# Allegro board FMDEMOD-57.brd (continued)
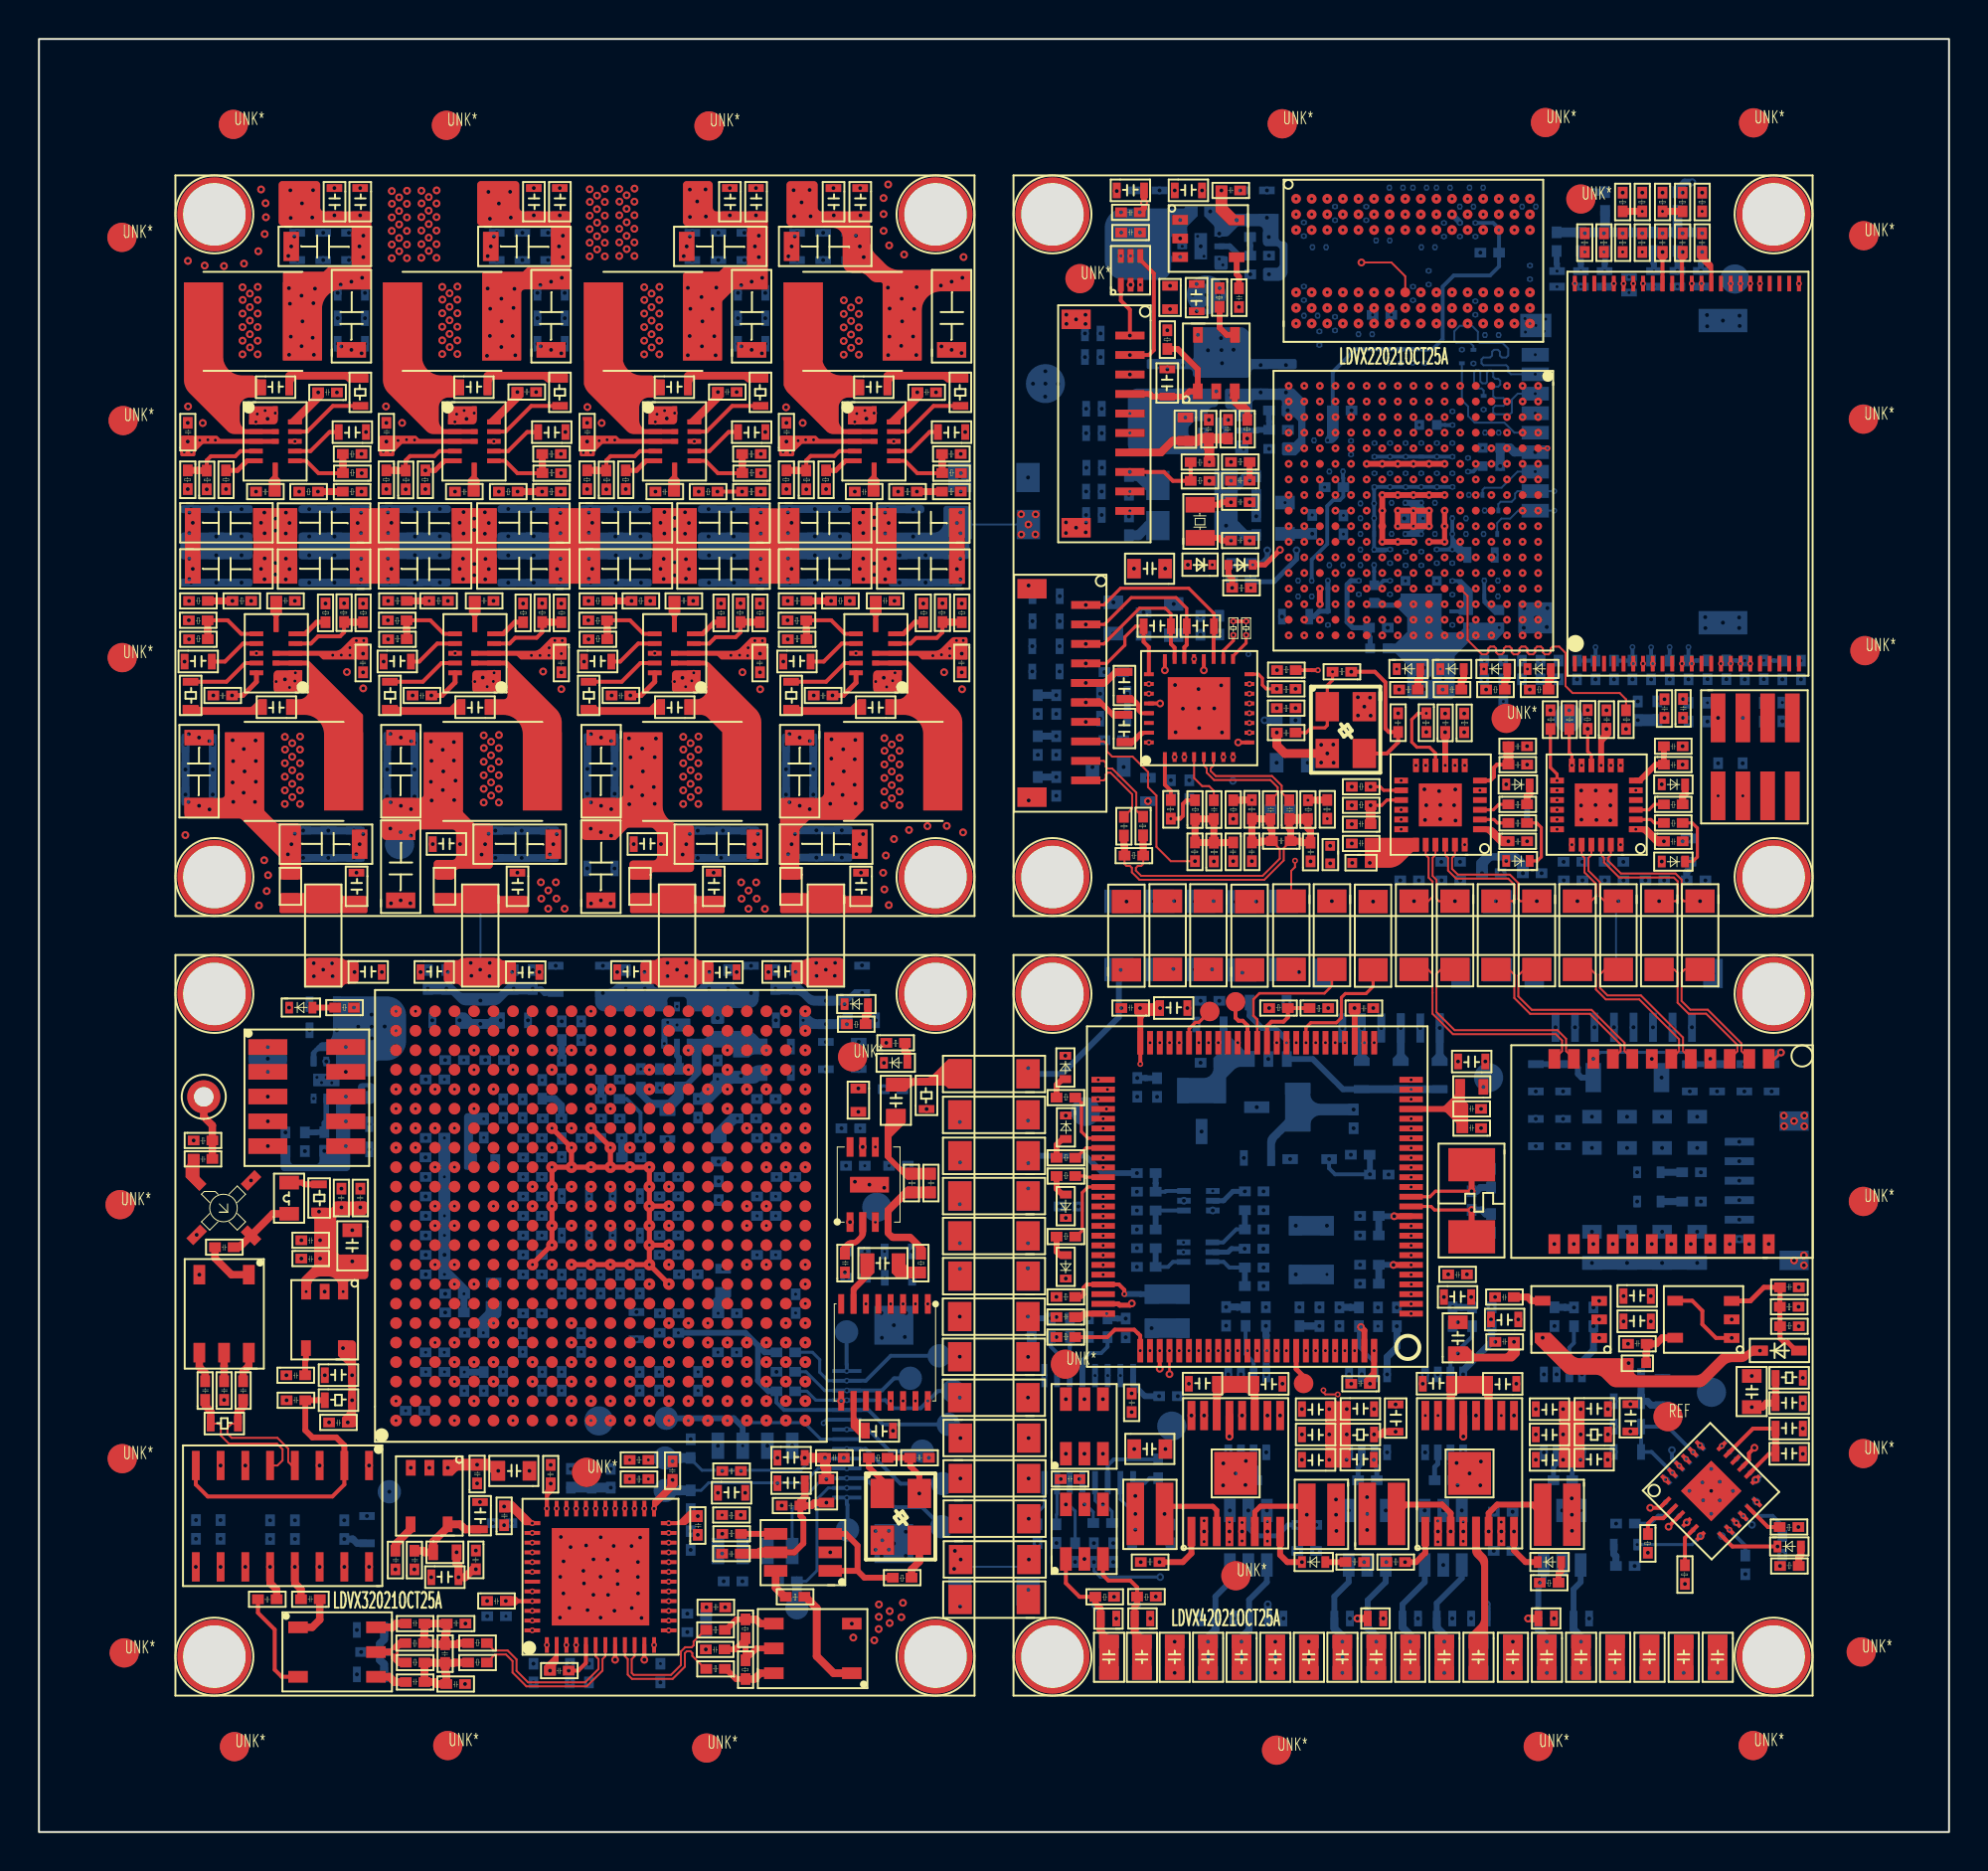
[diagram p0: board, top side]
## Routing (per net, layer and track width the routed paths; a pad name or vN(x,y) marks a point on that pad's centre or on a via; arc(x,y) is an arc through that point) (continued)
v25(84.33,50.83) v25(84.45,12.73) v25(84.68,17.5) v25(85.35,17.94) v25(85.38,17.02) v25(85.8,18.63) v25(85.8,17.5) v25(85.8,16.33) v25(86.24,17.97) v25(86.24,17.01) v25(86.85,26.3) v25(86.91,17.5) v25(87.88,23.4) v25(90.29,27.95) v25(90.28,26.95) v25(90.27,15.65) v25(90.5,22) v25(90.5,20.7) v25(90.5,19.4) v26(52.71,77.85) v26(52.72,77.38) v26(52.69,67.19) v26(52.69,66.65) v26(53.21,77.61) v26(53.21,66.92) v26(53.69,77.85) v26(53.69,77.38) v26(53.72,67.19) v26(53.7,66.69) v26(55.3,84.2) v26(55.52,83.11) v26(55.53,82.07) v26(55.97,74.78) v26(56.18,64.82) v26(57.89,75.05) v26(58.27,84.23) v26(59.4,79.43) v26(60.02,72.46) v26(60.05,69.33) v26(60.41,73.92) v26(61.63,84.23) v26(62.12,66.27) v26(63.52,59.62) v26(65.78,55.78) v26(65.78,54.87) v26(66.41,55.8) v26(66.42,54.87) v26(67.36,51.71) v26(67.36,50.72) v26(76.35,50.84) v26(79.13,53.44) v26(79.31,82.03) v26(79.46,57.57) v26(79.87,53.44) v26(79.86,52.69) v26(79.91,51.93) v26(80.29,82.03) v26(80.63,53.43) v26(80.62,52.68) v26(80.62,51.91) v26(81.26,84.11) v26(81.26,82.03) v26(82.26,82.03) v26(83.3,82.03) v26(83.4,57.16) v26(84.33,84.11) v26(84.33,82.03) v26(84.33,55.71) v26(84.33,54.77) v26(84.35,57.17) v26(85.33,84.11) v26(85.33,82.03) v27(58.55,81.76) v27(61.57,78.25) v28(78.8,79.45) v28(84.8,79.45) v28(84.8,59.95) v28(90.3,79.45) v29(70.9,83) v30(53.67,76.89) v30(53.67,75.68) v30(53.73,73.03) v30(53.73,71.78) v30(53.74,70) v30(53.73,68.78) v30(53.73,67.58) v30(56.18,84.23) v30(57.49,84.23) v30(71.95,49.78) v30(74.16,59.14) v30(75.13,59.14) v30(75.13,57.05) v30(75.39,52.73) v30(76.09,59.14) v30(77.04,59.14) v30(77.97,59.14) v30(79.19,49.78) v30(80.33,49.78) v30(84.63,59.14) v30(84.63,56.98) v30(85.61,56.98) v30(85.89,44.05) v30(88.5,56.98) v30(89.45,59.14) v30(90.4,59.14) v31(14.09,37.64) v31(14.26,38.72) v31(14.5,38.45) v31(14.74,38.72) v31(15.02,38.44) v31(15.24,38.74) v31(19.84,24.61) v31(19.85,23.61) v31(19.77,21.62) v31(21.84,25.62) v31(22.82,35.63) v31(22.82,22.64) v31(23.82,36.64) v31(23.82,22.65) v31(24.81,36.64) v31(24.84,35.61) v31(24.84,34.61) v31(24.84,33.61) v31(24.84,32.61) v31(24.84,31.61) v31(24.84,30.61) v31(24.84,29.62) v31(24.84,28.61) v31(24.82,24.64) v31(25.84,36.62) v31(25.8,26.61) v31(25.82,22.65) v31(26.82,35.6) v31(26.82,27.64) v31(26.82,22.65) v31(27.82,27.64) v31(28.23,32.63) v31(28.23,30.61) v31(28.8,35.61) v31(28.82,27.64) v31(29.43,32.63) v31(29.43,30.61) v31(29.8,38.61) v31(29.8,36.61) v31(29.82,27.64) v31(30.82,27.64) v31(30.82,22.65) v31(30.87,34.61) v31(31.84,25.61) v31(31.82,22.65) v31(31.85,38.19) v31(31.85,26.62) v31(32.12,41.14) v31(32.09,40.46) v31(32.26,41.54) v31(32.74,41.41) v31(32.8,33.61) v31(32.8,32.61) v31(32.8,31.61) v31(32.8,30.61) v31(32.8,29.62) v31(33.23,41.27) v31(33.82,36.66) v31(33.8,28.61) v31(33.82,22.65) v31(34.82,39.59) v31(34.84,24.62) v31(35.81,26.62) v31(36.8,36.61) v31(37.8,37.61) v31(37.8,35.61) v31(37.8,32.61) v31(37.8,31.61) v31(37.8,29.61) v31(38.58,40.3) v31(38.58,38.95) v31(38.8,33.61) v31(38.82,27.59) v31(55.48,23.42) v31(58.72,29.75) v31(59.45,81.88) v31(59.77,80.85) v31(60.56,80.71) v31(60.74,80.41) v31(61.62,71.25) v31(61.81,70.94) v31(63.93,68.21) v31(64.6,64.2) v31(64.6,63.4) v31(64.9,81.89) v31(64.9,79.3) v31(65.33,67.58) v31(65.42,71.41) v31(65.6,77.8) v31(65.69,76.3) v31(65.96,69) v31(66.13,61.93) v31(66.08,28.61) v31(66.21,69.81) v31(66.21,65) v31(66.5,82.7) v31(66.5,77.05) v31(66.93,67.55) v31(67.32,70.68) v31(67.7,76.85) v31(67.72,63.5) v31(67.8,68.17) v31(67.8,67.41) v31(67.8,66.6) v31(67.8,65.8) v31(67.8,65) v31(68.1,82.7) v31(68.52,71.27) v31(68.52,69.72) v31(68.6,81.66) v31(69.28,84.37) v31(69.26,75.38) v31(69.32,71.27) v31(69.32,69.72) v31(69.32,65.11) v31(69.32,63.5) v31(69.4,68.2) v31(69.4,66.6) v31(69.87,75.37) v31(70.12,71.27) v31(70.12,69.72) v31(70.12,65.69) v31(70.49,84.37) v31(70.5,79.29) v31(70.92,71.27) v31(70.92,69.72) v31(70.92,65.69) v31(71.3,80.1) v31(71.62,68.2) v31(71.62,66.6) v31(71.72,71.27) v31(71.72,69.72) v31(71.72,65.11) v31(72.08,81.86) v31(72.4,84.37) v31(72.52,72.89) v31(72.52,71.27) v31(72.52,69.72) v31(72.51,65.11) v31(72.52,63.49) v31(72.52,61.93) v31(72.9,81.86) v31(73.22,67.4) v31(73.22,66.6) v31(73.32,70.5) v31(73.4,84.37) v31(73.6,83.4) v31(73.7,81.86) v31(73.7,78.55) v31(74.19,76.81) v31(74.19,71.8) v31(74.86,64.2) v31(74.86,63.4) v31(76.25,77.65) v31(76.27,76.96) v31(76.5,80.38) v31(76.8,83.4) v31(76.8,77.3) v31(76.77,72.8) v31(77.22,77) v31(77.3,77.63) v31(77.89,79.29) v31(79.11,79.29) v31(80.33,79.29) v31(81.58,79.79) v31(82.86,79.29) v31(84.06,79.3) v31(85.27,79.3)
GNDA: length 2.9
  TOP w0.2: U15.9 v26(61.53,55.91) ; U15.28 v26(57.52,57.91) ; U15.24 v26(57.77,59.61) ; U15.20 v26(59.77,59.61)
  BOTTOM w0.36: R263.2 v21(62.88,57.05)
  vias: v21(50.98,63.41) v21(50.98,62.13) v21(50.97,60.84) v21(50.97,59.55) v21(51.25,57.37) v21(51.25,55.27) v21(52.19,57.37) v21(52.19,55.27) v21(54.05,54.64) v21(54.45,58.4) v21(54.45,57.13) v21(54.67,59.52) v21(54.67,56.02) v21(58.07,53.01) v21(58.22,63.01) v21(59.02,53.01) v21(59.59,62.39) v21(60.56,62.4) v26(50.77,63.96) v26(50.78,52.93) v26(53.71,56.96) v26(58.29,58.85) v26(58.32,56.43) v26(58.69,57.64) v26(59.49,58.64) v26(59.52,57.66) v26(59.53,56.65) v26(60.3,57.65) v26(60.28,49.8) v26(60.66,58.84) v26(60.7,56.42) v26(61.27,51.98) v26(61.27,49.81) v26(62.23,49.81) v26(65.24,49.8) v30(51.25,53.17)
VBAT_ADC: length 45.9
  TOP w0.2: U22.4 84.82,27.26 85.34,26.74 85.34,26.05 86.04,25.35 v9(86.85,25.35)
  SIGNAL-L3 w0.25: v9(86.85,25.35) 87.8,25.35 89.29,26.84 89.29,35.07 87.65,36.71 86.15,36.71 85.38,37.49 85.38,38.7 83.7,40.38 75.97,40.38 73.35,43 65.88,43 64.51,41.62 v8(64.51,40.5)
VBAT_IN:
  vias: v1(7.45,70.81) v1(7.82,70.81) v1(8.25,71.41) v1(8.67,71.43) v1(9.05,71.42) v1(15.07,60.38) v1(15.51,60.39) v1(15.95,60.77) v1(15.95,60.38) v1(16.28,61.13) v1(16.66,61.13) v1(17.67,70.83) v1(18.02,70.84) v1(18.42,71.4) v1(18.86,71.44) v1(19.27,71.42) v1(25.27,60.37) v1(25.71,60.37) v1(26.18,60.76) v1(26.17,60.37) v1(26.47,61.14) v1(26.85,61.13) v1(26.8,60.46) v1(27.93,70.78) v1(28.31,70.78) v1(28.74,71.39) v1(29.15,71.43) v1(29.54,71.42) v1(35.5,60.38) v1(35.95,60.38) v1(36.39,60.76) v1(36.36,60.36) v1(36.73,61.13) v1(37.12,61.13) v1(38.18,70.82) v1(38.54,70.79) v1(38.95,71.39) v1(39.34,71.44) v1(39.74,71.43) v1(45.86,60.36) v1(46.3,60.41) v1(46.73,60.73) v1(46.73,60.35) v1(47.08,61.14) v1(47.42,61.14) v2(16.46,67.87) v3(7.63,71.34) v3(7.63,68.9) v3(7.7,63.17) v3(11.39,67.17) v3(11.39,64.81) v3(11.56,67.7) v3(11.58,66.64) v3(11.58,65.35) v3(11.57,64.28) v3(12.12,67.39) v3(12.13,66.78) v3(12.12,65.11) v3(12.12,64.52) v3(12.67,67.7) v3(12.66,66.63) v3(12.67,65.34) v3(12.66,64.27) v3(12.85,67.16) v3(12.85,64.8) v3(16.55,68.78) v3(16.63,63.03) v3(16.63,60.46) v3(17.82,71.34) v3(17.82,68.9) v3(17.91,63.17) v3(21.58,67.17) v3(21.58,64.81) v3(21.78,67.73) v3(21.78,66.63) v3(21.76,65.34) v3(21.76,64.29) v3(22.33,67.39) v3(22.33,66.81) v3(22.34,65.06) v3(22.33,64.48) v3(22.88,67.72) v3(22.88,66.61) v3(22.91,65.32) v3(22.9,64.27) v3(23.08,67.16) v3(23.08,64.8) v3(26.77,68.78) v3(26.8,63.03) v3(28.12,71.34) v3(28.12,68.9) v3(28.2,63.17) v3(31.89,67.17) v3(31.89,64.81) v3(32.09,67.73) v3(32.09,66.62) v3(32.05,65.33) v3(32.05,64.29) v3(32.62,67.43) v3(32.62,66.84) v3(32.62,65.15) v3(32.62,64.48) v3(33.15,67.72) v3(33.15,66.61) v3(33.2,65.31) v3(33.2,64.31) v3(33.35,67.16) v3(33.35,64.8) v3(37.04,68.78) v3(36.99,63.03) v3(36.99,60.46) v3(38.35,71.34) v3(38.35,68.9) v3(38.42,63.17) v3(42.11,67.17) v3(42.11,64.81) v3(42.29,67.71) v3(42.29,66.65) v3(42.29,65.34) v3(42.29,64.28) v3(42.85,67.45) v3(42.85,66.88) v3(42.85,65.09) v3(42.85,64.5) v3(43.41,67.7) v3(43.41,66.63) v3(43.41,65.33) v3(43.42,64.28) v3(43.6,67.16) v3(43.6,64.8) v3(47.29,68.78) v3(47.34,63.03) v3(47.34,60.46) v4(7.8,67.87) v4(7.8,64.11) v4(9.09,67.87) v4(9.09,64.11) v4(10.39,67.87) v4(10.39,64.11) v4(13.87,67.87) v4(13.87,64.11) v4(15.16,67.87) v4(15.16,64.11) v4(16.46,64.11) v4(17.99,67.87) v4(17.99,64.11) v4(19.29,67.87) v4(19.29,64.11) v4(20.57,67.88) v4(20.57,64.11) v4(24.08,67.88) v4(24.08,64.1) v4(25.39,67.88) v4(25.39,64.1) v4(26.68,67.87) v4(26.68,64.1) v4(28.29,67.87) v4(28.3,64.1) v4(29.57,67.87) v4(29.59,64.1) v4(30.86,67.87) v4(30.89,64.1) v4(34.36,67.87) v4(34.38,64.1) v4(35.64,67.87) v4(35.66,64.1) v4(36.94,67.87) v4(36.95,64.1) v4(38.52,67.88) v4(38.53,64.1) v4(39.81,67.88) v4(39.81,64.1) v4(41.1,67.88) v4(41.1,64.1) v4(43.55,67.87) v4(44.15,64.11) v4(44.85,67.87) v4(45.49,64.11) v4(46.82,64.11)
VCCA_2V5: length 24.3
  PWR-L6 w0.26: v2(32.81,26.62) 32.82,26.62 v1(33.32,26.11)
  PWR-L6 w0.38: v2(24.82,25.6) 24.32,26.1 v1(24.32,26.11) 24.34,26.11 v2(24.84,26.61) ; v2(33.82,37.62) 33.82,37.62 v1(34.32,38.11) 34.82,38.61 v2(34.82,38.63) ; v1(23.32,38.11) 23.82,37.61 v2(23.82,37.6) v2(24.81,37.6) ; v2(32.8,25.61) 32.82,25.61 v1(33.32,26.11)
  BOTTOM w0.2: R356.1 37.84,22.19 37.84,22.19 37.84,22.04 38.23,21.66 J9.5 42.55,21.66 43.29,20.92 TP18.1
  BOTTOM w0.3: v2(32.8,25.61) 36.24,25.61 36.89,24.97 ; 36.89,24.97 37.24,24.61 R352.1 ; 36.89,24.97 36.89,23.16 37.43,22.61 R356.1
  vias: v4(30.66,25.28) v4(36.02,38.8)
VCCINT_1V2: length 47.1
  TOP w0.26: v1(27.32,34.11) v1(27.32,35.11) v1(26.32,36.11) ; v1(27.32,34.11) v1(28.32,34.11) v1(29.32,34.11) ; v1(27.32,34.11) v1(26.32,34.11) v1(26.32,33.11) v1(26.32,32.11) v1(26.32,31.11) v1(26.32,30.11) 26.29,30.11 25.32,29.15 v1(25.32,29.11) ; v1(29.32,34.11) v1(29.32,35.11) 29.32,35.15 28.35,36.11 v1(28.32,36.11) ; v1(29.32,34.11) v1(30.32,34.11) v1(31.32,34.11) v1(31.32,33.11) v1(31.32,32.11) ; v1(31.32,29.11) v1(30.32,29.11) v1(29.32,29.11) v1(28.32,29.11) v1(27.32,29.11) ; v1(31.32,29.11) v1(32.32,28.11) ; v1(31.32,29.11) v1(31.32,30.11) ; v1(31.32,32.11) v1(32.32,32.11) ; v1(31.32,32.11) v1(31.32,31.11) v1(31.32,30.11) ; v1(31.32,30.11) v1(32.32,30.11)
  PWR-L6 w0.26: v2(28.82,28.6) 28.82,28.61 v1(29.32,29.11) ; v1(31.32,34.11) 31.82,33.61 v2(31.84,33.61) ; v2(30.83,32.63) 30.83,32.6 v1(31.32,32.11) ; v1(27.32,34.11) 26.82,34.61 v2(26.82,34.64) ; v2(26.83,30.61) 26.82,30.61 v1(26.32,31.11) 25.82,30.61 v2(25.8,30.61) ; v1(27.32,35.11) 27.82,35.61 v2(27.84,35.61) ; v2(25.8,32.61) 25.82,32.61 v1(26.32,33.11) ; v2(26.82,28.6) 26.82,28.62 v1(27.32,29.11) ; v1(32.32,28.11) 32.82,28.61 v2(32.84,28.61) ; v1(32.32,30.11) 32.32,30.09 v2(31.84,29.62) ; v2(30.82,28.6) 30.82,28.62 v1(31.32,29.11) ; v2(25.8,31.61) 25.82,31.61 v1(26.32,32.11) ; v1(31.32,31.11) 30.83,30.63 v2(30.83,30.61) ; v1(31.32,33.11) 31.82,32.61 v2(31.84,32.61) ; v2(31.84,31.61) 32.32,32.09 v1(32.32,32.11) ; v2(25.8,29.62) 25.82,29.62 v1(26.32,30.11) ; v1(26.32,33.11) 25.82,33.61 ; v1(26.32,33.11) 26.81,32.63 v2(26.83,32.63) ; v2(25.8,28.61) 25.8,28.63 v1(25.32,29.11) ; v2(28.84,36.61) 28.82,36.61 v1(28.32,36.11) ; v2(25.8,34.61) 25.82,34.61 v1(26.32,34.11) 25.82,33.61 ; v2(27.82,28.6) 27.82,28.62 v1(28.32,29.11) ; 25.82,33.61 v2(25.8,33.61) ; v2(29.82,28.6) 29.82,28.61 v1(30.32,29.11) ; v2(25.8,35.61) 25.81,35.61 v1(26.32,36.11) ; v2(31.84,30.61) 31.82,30.61 v1(31.32,30.11)
  vias: v1(24.32,32.11) v2(23.41,34.38) v2(39.21,41.65) v2(41.54,41.65) v4(23.33,28.19) v4(34.87,34.4) v4(34.88,33.39) v4(35.1,28.9) v4(40.38,41.45) v4(40.37,40.54)
VCCIO_3V3: length 62
  TOP w0.5: v3(40.4,18.1) 40.4,18.69 40.33,18.76 v3(40.33,19.2) v3(39.29,19.2)
  SIGNAL-L4 w0.26: v15(37.32,39.11) 36.87,39.56 35.77,39.56 v15(35.32,39.11) v15(33.32,39.11) 32.32,38.11 ; v16(30.86,35.61) 30.86,36.66 32.32,38.11 ; 34.16,34.55 34.6,34.11 v1(37.32,34.11) ; 34.16,34.55 32.32,36.4 32.32,38.11 ; 34.16,34.55 35.73,36.11 v1(36.32,36.11) ; 32.32,38.11 v15(31.32,38.11)
  PWR-L6 w0.26: v1(36.32,38.11) v1(36.32,36.11) ; v4(21.58,41.65) 21.04,41.11 v1(18.32,41.11) 17.47,40.26 16.89,40.26 16.88,40.27 v3(15.74,40.27) ; v1(39.32,41.11) v15(37.32,39.11)
  PWR-L6 w0.3: v2(21.8,27.62) 21.82,27.62 v1(22.32,28.11) ; v2(26.82,23.61) 26.82,23.61 v1(27.32,24.11) 27.82,24.62 v2(27.82,24.63) ; v2(20.8,38.62) 20.82,38.62 v1(21.32,38.11) ; v1(25.32,24.11) 25.82,23.61 v2(25.82,23.61) ; v1(24.32,39.11) 24.32,39.15 v2(23.86,39.61) ; v1(36.32,31.11) 36.82,31.61 v2(36.84,31.61) ; 38.8,21.61 38.82,21.61 v1(39.32,22.11) ; v2(30.82,23.61) 30.82,23.62 v1(30.32,24.11) ; v2(31.82,23.61) 31.82,23.62 v1(32.32,24.11) ; v2(20.81,30.61) 20.82,30.61 v1(21.32,31.11) ; v2(20.81,23.61) 20.82,23.61 v1(21.32,24.11) ; v2(20.8,35.61) 21.3,36.11 v1(21.32,36.11) ; v1(36.32,38.11) 36.82,37.61 v2(36.84,37.61) ; v2(20.81,31.61) 20.82,31.61 v1(21.32,32.11) ; v1(22.32,39.11) 21.82,39.61 v2(21.8,39.61) ; v1(21.32,25.11) 20.82,24.61 v2(20.8,24.61) ; v2(20.8,33.61) 20.82,33.61 v1(21.32,34.11) ; v2(36.84,29.61) 36.82,29.61 v1(36.32,29.11) ; v2(37.84,33.61) 37.82,33.61 v1(37.32,34.11) ; v2(23.82,23.61) 23.82,23.62 v1(23.32,24.11) ; v2(38.82,26.63) 38.82,26.62 v1(38.32,26.11) ; v2(36.84,32.61) 36.82,32.61 v1(36.32,32.11) ; v2(33.82,23.61) 33.82,23.61 v1(34.32,24.11) ; v2(20.81,28.61) 20.82,28.61 v1(21.32,29.11) ; v2(18.81,21.62) 18.81,21.62 v1(18.32,22.11) ; 35.82,24.62 35.82,24.62 v1(36.32,25.11) ; 35.82,24.62 v2(35.8,24.62) ; 35.82,24.62 v1(36.32,24.11)
  PWR-L6 w0.36: v1(36.32,36.11) 36.82,35.61 v2(36.84,35.61)
  BOTTOM w0.2: R311.2 30.15,37.62 30.86,36.9 v16(30.86,35.61) ; TP25.1 41.48,16.79 41.45,16.83 v2(41.45,17.16)
  BOTTOM w0.36: C562.2 v2(21.8,27.62)
  BOTTOM w0.5: v4(29.34,17.67) C598.2 C599.2
  vias: v1(25.31,15.85) v1(25.31,11.85) v1(26.06,16.6) v1(26.32,40.11) v1(28.32,39.11) v1(31.56,16.6) v1(32.31,15.85) v2(23.96,11.07) v2(25.82,38.58) v2(26.82,38.63) v2(27.82,40.63) v3(23.86,16.7) v3(23.95,11.86) v3(26.26,17.88) v3(32.51,18.06) v3(33.8,16.21) v3(36.02,18.53) v3(36.24,17.4) v4(20.81,29.61) v4(22.65,41.46) v4(23.69,41.65) v4(24.24,15.85) v4(33.44,16.57) v4(33.44,15.44) v4(36.11,14.42) v4(36.09,12.86) v4(37.38,19.82) v4(37.93,12.86) v4(38.65,19.82) v5(21.82,22.64)
VDD_ARM_CAP: length 4.6
  TOP w0.26: v1(71.32,66.2) v1(72.12,66.2) v1(72.12,67) v1(72.12,67.8)
  PWR-L6 w0.26: v2(72.52,66.6) 72.12,67 v1(72.12,67) ; v1(72.12,67.8) 72.12,67.8 v2(72.52,67.4) ; v1(72.12,66.2) v2(72.51,65.81) ; v1(71.32,66.2) 71.33,66.2 v2(71.72,65.81)
VDD_COIN_3V: length 5.1
  TOP w0.3: D2.2 61.03,64.51 61.22,64.32 v3(61.22,63.84)
  PWR-L6 w0.3: v3(57.78,64.82) 58.77,63.84 v3(61.22,63.84)
VDD_HIGH_CAP: length 9
  TOP w0.3: v1(65.72,63) v1(65.72,63.8)
  PWR-L6 w0.2: v2(65.3,63.4) 65.32,63.4 v1(65.72,63) ; v2(66.91,69.81) 66.93,69.81 v1(67.32,70.2) ; v1(65.72,63.8) 65.32,64.2 v2(65.3,64.2)
  BOTTOM w0.2: v2(66.91,69.81) 66.91,69.48 66.92,69.46 C317.1 66.92,68.52 66.74,68.34 66.4,68.34 66.1,68.03 66.1,66.09 65.3,65.29 v2(65.3,64.2)
VDD_HIGH_IN: length 5.5
  PWR-L6 w0.2: v2(67.72,64.2) 67.72,64.2 v1(67.32,64.6)
  BOTTOM w0.26: L32.2 68.3,61.29 68.24,61.35 C405.1 67.41,61.79 67.12,62.08 67.12,64.01 67.31,64.2 v2(67.72,64.2)
VDD_SNVS_3V3: length 24
  SIGNAL-L4 w0.26: v10(58.95,65.02) 58.95,66.83 57.05,68.74 57.05,79.39 57.81,80.16 59.36,80.16 61.45,82.25 v3(61.45,82.7)
  PWR-L6 w0.5: v3(61.45,82.7) 60.67,83.49 v3(60.67,84.23) v3(59.67,84.23)
VDD_SNVS_IN: length 9.6
  TOP w0.26: v1(62.28,65.02) 62.9,65.02 v3(63.67,65.78)
  PWR-L6 w0.1: v2(66.91,65) 66.91,65.01 v1(66.52,65.4)
  PWR-L6 w0.2: 66.83,65 66.83,65.06 66.52,65.37 v1(66.52,65.4)
  PWR-L6 w0.26: v1(66.52,65.4) 66.09,64.97 65.38,64.97 64.98,65.36 64.76,65.36 64.71,65.31 64.33,65.31 64.07,65.58 64.07,65.65 63.93,65.78 v3(63.67,65.78)
  PWR-L6 w0.3: v1(62.18,63.84) 62.18,64.59 62.28,64.69 v1(62.28,65.02) 61.95,65.02 61.95,65.02 v1(60.2,65.02)
VDD_SOC_CAP: length 17.1
  TOP w0.3: v1(70.52,66.2) v1(69.72,66.2) v1(68.92,66.2) U10.L10 v1(68.92,67.8) v1(68.92,68.6) v1(69.72,68.6) v1(70.52,68.6) v1(71.32,68.6) v1(72.12,68.6)
  PWR-L6 w0.2: 68.91,67.8 68.53,68.19 68.53,68.23 68.67,68.37 68.67,68.83 68.53,68.97 68.53,69.02 69.12,69.02 69.13,69.01 70.08,69.01 70.14,69.07 70.92,69.07 ; 70.92,69.07 70.52,68.67 v1(70.52,68.6) ; 70.92,69.07 71.6,69.07 71.87,68.8 72.32,68.8 ; 70.92,69.07 71.32,68.66 v1(71.32,68.6)
  PWR-L6 w0.22: v1(70.52,66.2) v1(69.72,66.2)
  PWR-L6 w0.3: v1(69.72,68.6) 69.51,68.81 69.51,69.01 ; v1(68.92,66.2) 69.12,66 69.17,66 69.27,65.9 69.37,65.9 69.47,66 69.52,66 v1(69.72,66.2) ; v1(68.92,68.6) 68.92,68.62 68.53,69.02 ; 68.91,67.8 v1(68.92,67.8) ; 72.32,68.8 72.12,68.6 v1(72.12,68.6)
  vias: v2(68.52,69.02) v2(68.5,68.17) v2(68.5,67.41) v2(68.5,65.8) v2(69.32,69.02) v2(69.32,65.81) v2(70.12,69.02) v2(70.92,69.02) v2(71.72,69.02) v2(72.52,69.02)
VDD_SOC_IN: length 7.9
  TOP w0.3: v1(70.52,67) v1(71.32,67) v1(71.32,67.8) v1(70.52,67.8) ; v1(70.52,67) v1(70.52,67.8) ; v1(70.52,67) v1(69.72,67) v1(69.72,67.8) v1(70.52,67.8)
  PWR-L6 w0.26: v2(70.1,66.6) 70.12,66.6 v1(70.52,67) 70.92,66.6 v2(70.92,66.6) ; v1(71.32,67.8) 70.92,68.2 v2(70.92,68.2) ; v2(70.1,68.2) 69.72,67.82 v1(69.72,67.8)
  vias: v2(61.62,72.55) v2(71.01,67.4) v4(61.16,73.73) v4(62.68,73.87) v4(63.98,73.87) v4(64.07,72.94)
VDD_SOC_IN_PWR:
  vias: v3(33.29,79.23) v3(33.29,75.77) v3(33.39,84.27) v3(33.4,82.87) v3(33.42,78.16) v3(33.39,76.76) v3(33.77,83.66) v3(33.99,78.76) v3(34.04,77.51) v3(34.01,76.23) v3(34.2,84.28) v3(34.22,82.89) v3(34.55,78.14) v3(34.65,76.75) v3(34.72,75.77) v3(34.75,79.24) v3(35.45,82.95) v3(36.03,79.36) v3(36.56,79.55) v3(36.73,81.36) v3(36.79,82.95) v3(36.93,81.91) v3(36.93,80.81) v3(37.04,70.71) v3(37.11,79.75) v3(37.27,71.83) v4(33.52,82.06) v4(34.86,82.06) v4(35.86,78.97) v4(35.86,77.67) v4(35.86,76.36) v4(36.19,82.06)
VDDA_ADC_3P3: length 3.1
  PWR-L6 w0.2: v1(68.12,64.6) 68.52,64.2 68.52,64.2 ; v1(68.92,64.6) 69.31,64.2 v2(69.32,64.2)
  BOTTOM w0.2: v2(69.32,64.2) 68.98,64.2 68.75,63.97 L28.2 68.5,64.67 68.5,64.68 v2(68.5,65)
232_TXD: length 16.6
  SIGNAL-L4 w0.127: v10(50.79,13.98) 51.75,13.98 52.2,14.44 v16(52.2,14.83)
  SIGNAL-L8 w0.1: v16(52.2,14.83) 51.6,14.23 51.01,14.23 50.6,14.64 50.6,20.01 52.27,21.68 53.1,21.68 53.4,21.98 53.4,23.94 53.87,24.41 v6(53.87,25.4)
A0: length 28.3
  SIGNAL-L4 w0.1: v15(74.1,79) 74.33,79.23 74.33,80.82 73.76,81.39 70.25,81.39 70.15,81.29 70.15,80.75 70.26,80.63 70.48,80.63 70.58,80.53 70.58,79.62 70.69,79.52 70.89,79.52 70.98,79.62 70.98,80.53 71.08,80.63 73.58,80.63 73.68,80.53 73.68,80.33 73.58,80.23 72.2,80.23 72.1,80.13 72.1,79.93 72.2,79.83 73.58,79.83 73.68,79.73 73.68,79.53 73.58,79.43 72.39,79.43 72.1,79.14 72.1,77.8 69.84,75.54 69.27,75.54 68.52,74.79 68.52,71.4 v15(68.92,71)
A1: length 26.9
  SIGNAL-L3 w0.1: v8(74.9,82.2) 74.52,82.58 74.52,84.02 74.61,84.12 75.19,84.12 75.32,84 75.32,82.75 75.48,82.59 77.1,82.59 77.2,82.49 77.2,81.86 77.1,81.76 75.51,81.76 75.37,81.62 75.37,81.22 75.47,81.12 75.7,81.12 75.8,81.02 75.8,80.43 75.9,80.33 76.1,80.33 76.2,80.43 76.2,81.02 76.3,81.12 77.1,81.12 77.2,81.02 77.2,80.5 76.6,79.9 75.25,79.9 75.01,80.14 75.01,81.16 74.85,81.31 74.64,81.31 74.51,81.18 74.51,76.66 74.23,76.38 74.23,75.52 73.66,74.94 72.26,74.94 71.72,74.41 71.72,73.8 v8(71.32,73.4)
A2: length 26.7
  SIGNAL-L4 w0.1: v15(69.72,74.2) 70.13,74.61 71.64,74.61 72.52,75.49 72.52,76.12 72.88,76.49 73.39,76.49 74.1,75.77 76.05,75.77 76.58,75.24 76.58,74.18 77.05,73.71 78.46,73.71 78.75,74 78.75,77.26 78.2,77.82 75.96,77.82 75.31,78.47 75.31,79.31 75.61,79.61 76.59,79.61 77.11,80.13 77.11,80.58 76.78,80.91 75.58,80.91 74.9,80.23 v15(74.9,79)
A3: length 26.4
  SIGNAL-L8 w0.1: v17(74.1,78.2) 74.1,78.53 73.95,78.68 73.13,78.68 73.03,78.78 73.03,79.07 73.13,79.17 73.65,79.17 73.84,78.98 74.08,78.98 74.27,79.17 74.68,79.17 74.9,78.96 74.9,78.73 74.8,78.63 74.61,78.63 74.51,78.53 74.51,78.33 74.61,78.23 75.13,78.23 75.23,78.13 75.23,77.56 75.13,77.46 74.43,77.46 74.23,77.26 74.23,76.51 74.33,76.41 74.66,76.41 74.76,76.31 74.76,76.11 74.66,76.01 73.5,76.01 73.13,75.64 73.13,75.06 73.42,74.77 73.42,73.86 73.13,73.56 72.56,73.56 72.2,73.93 72.2,74.61 72.1,74.7 71.67,74.7 71.57,74.61 71.57,74.28 71.47,74.18 71.27,74.18 71.17,74.28 71.17,74.61 71.07,74.7 70.48,74.7 69.83,75.35 69.38,75.35 69.28,75.25 69.28,75.02 69.38,74.92 69.61,74.92 69.71,74.82 69.71,74.62 69.61,74.52 69.38,74.52 69.28,74.42 69.28,74.17 69.43,74.01 70.1,74.01 70.2,73.91 70.2,73.73 70.1,73.63 69.41,73.63 69.3,73.52 69.3,73.38 69.4,73.28 70.02,73.28 70.12,73.18 70.12,73.05 70.02,72.95 69.37,72.95 69.2,72.78 68.74,72.78 v17(68.12,73.4)
A4: length 27.3
  SIGNAL-L7 w0.1: v13(74.9,83) 74.51,82.61 74.51,82.38 74.61,82.28 75.1,82.28 75.2,82.18 75.2,81.98 75.1,81.88 74.61,81.88 74.51,81.78 74.51,81.58 74.61,81.48 74.61,81.27 74.42,81.08 74.42,80.94 74.6,80.76 74.6,80.62 74.46,80.47 74.32,80.47 74.14,80.65 74,80.65 73.55,80.21 73.19,80.21 72.88,79.9 72.88,79.67 72.98,79.57 73.99,79.57 74.09,79.47 74.09,79.27 73.99,79.17 72.98,79.17 72.88,79.07 72.88,78.04 73.52,77.4 73.52,75.94 72.62,75.05 72.07,75.05 71.72,74.7 71.72,73.91 71.99,73.64 72.69,73.64 72.95,73.38 72.95,70.51 72.59,70.15 70.94,70.15 70.75,70.34 70.75,71.3 71.24,71.79 71.24,72.63 70.94,72.93 70.21,72.93 70.07,72.78 70.07,72.15 v13(69.72,71.8)
A5: length 28.9
  SIGNAL-L4 w0.1: v15(68.92,74.2) 68.92,74.53 69.37,74.97 69.77,74.97 69.96,75.17 70.5,75.17 70.98,75.64 71.12,75.64 71.45,75.32 71.65,75.32 71.76,75.43 71.76,75.57 71.33,76 71.33,76.15 71.53,76.35 71.67,76.35 71.85,76.17 72,76.17 72.14,76.31 72.14,76.45 71.96,76.63 71.96,76.77 72.09,76.91 73.88,76.91 74.52,76.27 76.61,76.27 77.25,75.64 77.25,74.47 77.34,74.37 78.28,74.37 78.35,74.44 78.35,74.67 78.25,74.77 77.86,74.77 77.77,74.87 77.77,75.07 77.86,75.17 78.25,75.17 78.35,75.27 78.35,75.47 78.25,75.57 77.86,75.57 77.77,75.67 77.77,75.87 77.86,75.97 78.25,75.97 78.35,76.07 78.35,76.6 78.05,76.9 77.74,76.9 77.64,77 77.64,77.28 77.54,77.38 77.34,77.38 77.24,77.28 77.24,77 77.14,76.9 76.94,76.9 76.84,77 76.84,77.28 76.74,77.38 76.54,77.38 76.44,77.28 76.44,77 76.34,76.9 75.3,76.9 75.04,77.15 75.04,77.54 74.86,77.73 73.02,77.73 72.89,77.85 72.89,78.35 73.13,78.59 74.51,78.59 v15(74.9,78.2)
A6: length 28.7
  SIGNAL-L3 w0.1: v8(72.12,73.4) 72.5,73.78 72.5,74.37 72.69,74.55 73.91,74.55 74.69,75.34 74.69,76.34 75.3,76.95 75.3,79.24 75.56,79.5 77.33,79.5 77.73,79.91 77.73,80.14 77.83,80.24 78.51,80.24 78.61,80.34 78.61,80.54 78.51,80.64 77.83,80.64 77.73,80.74 77.73,80.94 77.83,81.04 78.51,81.04 78.61,81.14 78.61,81.34 78.51,81.44 77.83,81.44 77.73,81.54 77.73,81.74 77.83,81.84 78.51,81.84 78.61,81.94 78.61,82.14 78.51,82.24 77.83,82.24 77.73,82.34 77.73,83.16 77.83,83.26 78.08,83.26 78.18,83.16 78.18,82.8 78.28,82.7 78.57,82.7 78.67,82.8 78.67,83.09 78.78,83.19 80.24,83.19 80.34,83.29 80.34,83.76 80.23,83.88 78.69,83.88 78.59,83.98 78.59,84.15 78.49,84.25 78.29,84.25 78.19,84.15 78.19,83.89 78.09,83.79 77.86,83.79 77.73,83.92 77.73,84.15 77.62,84.27 77.29,84.27 77.19,84.17 77.19,83.85 77.01,83.67 76.37,83.67 v8(75.7,83)
